# KiCad board proteus.kicad_pcb
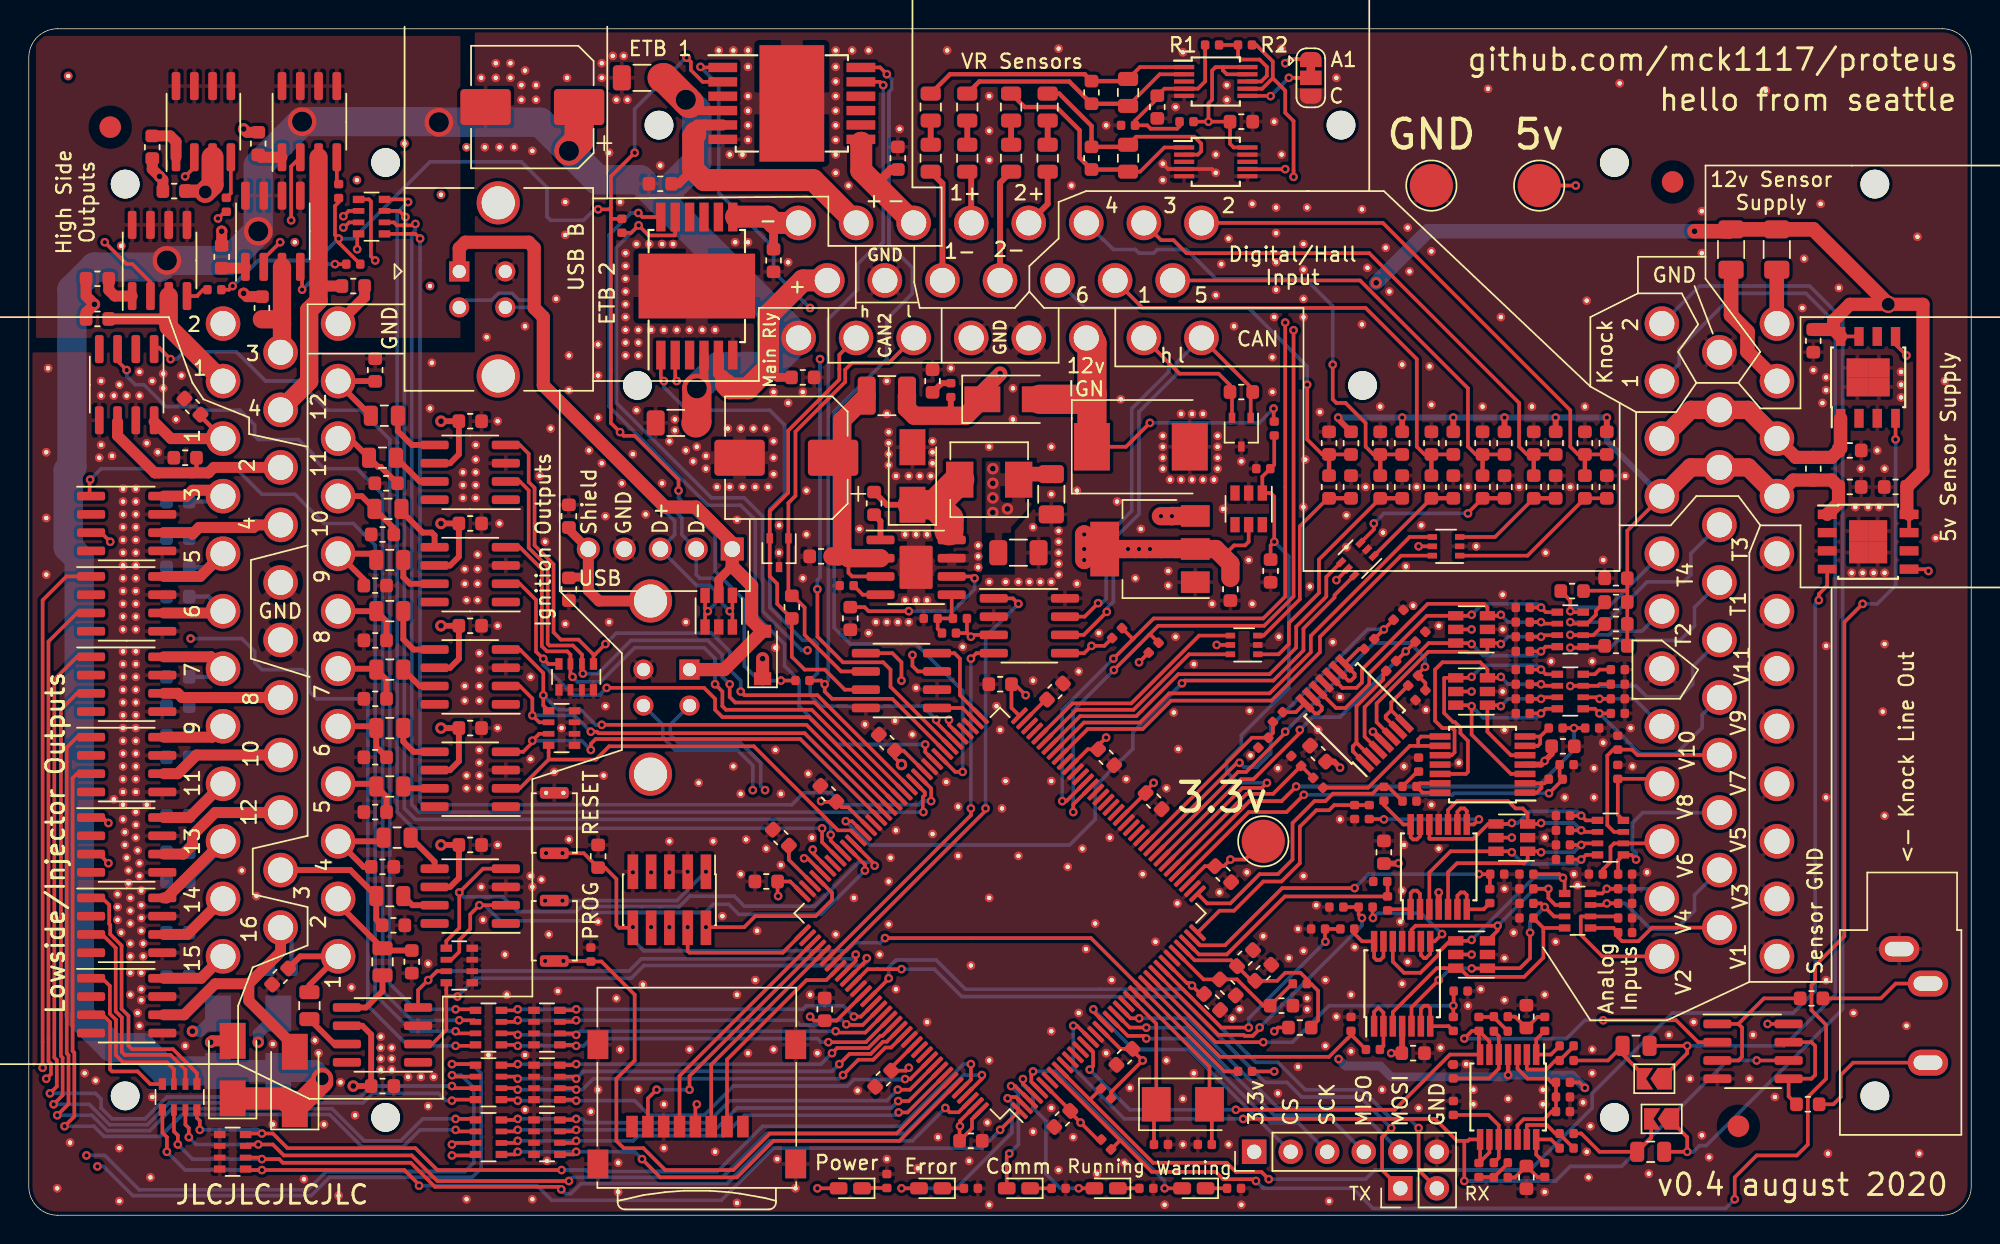
[diagram p0: board, top side]
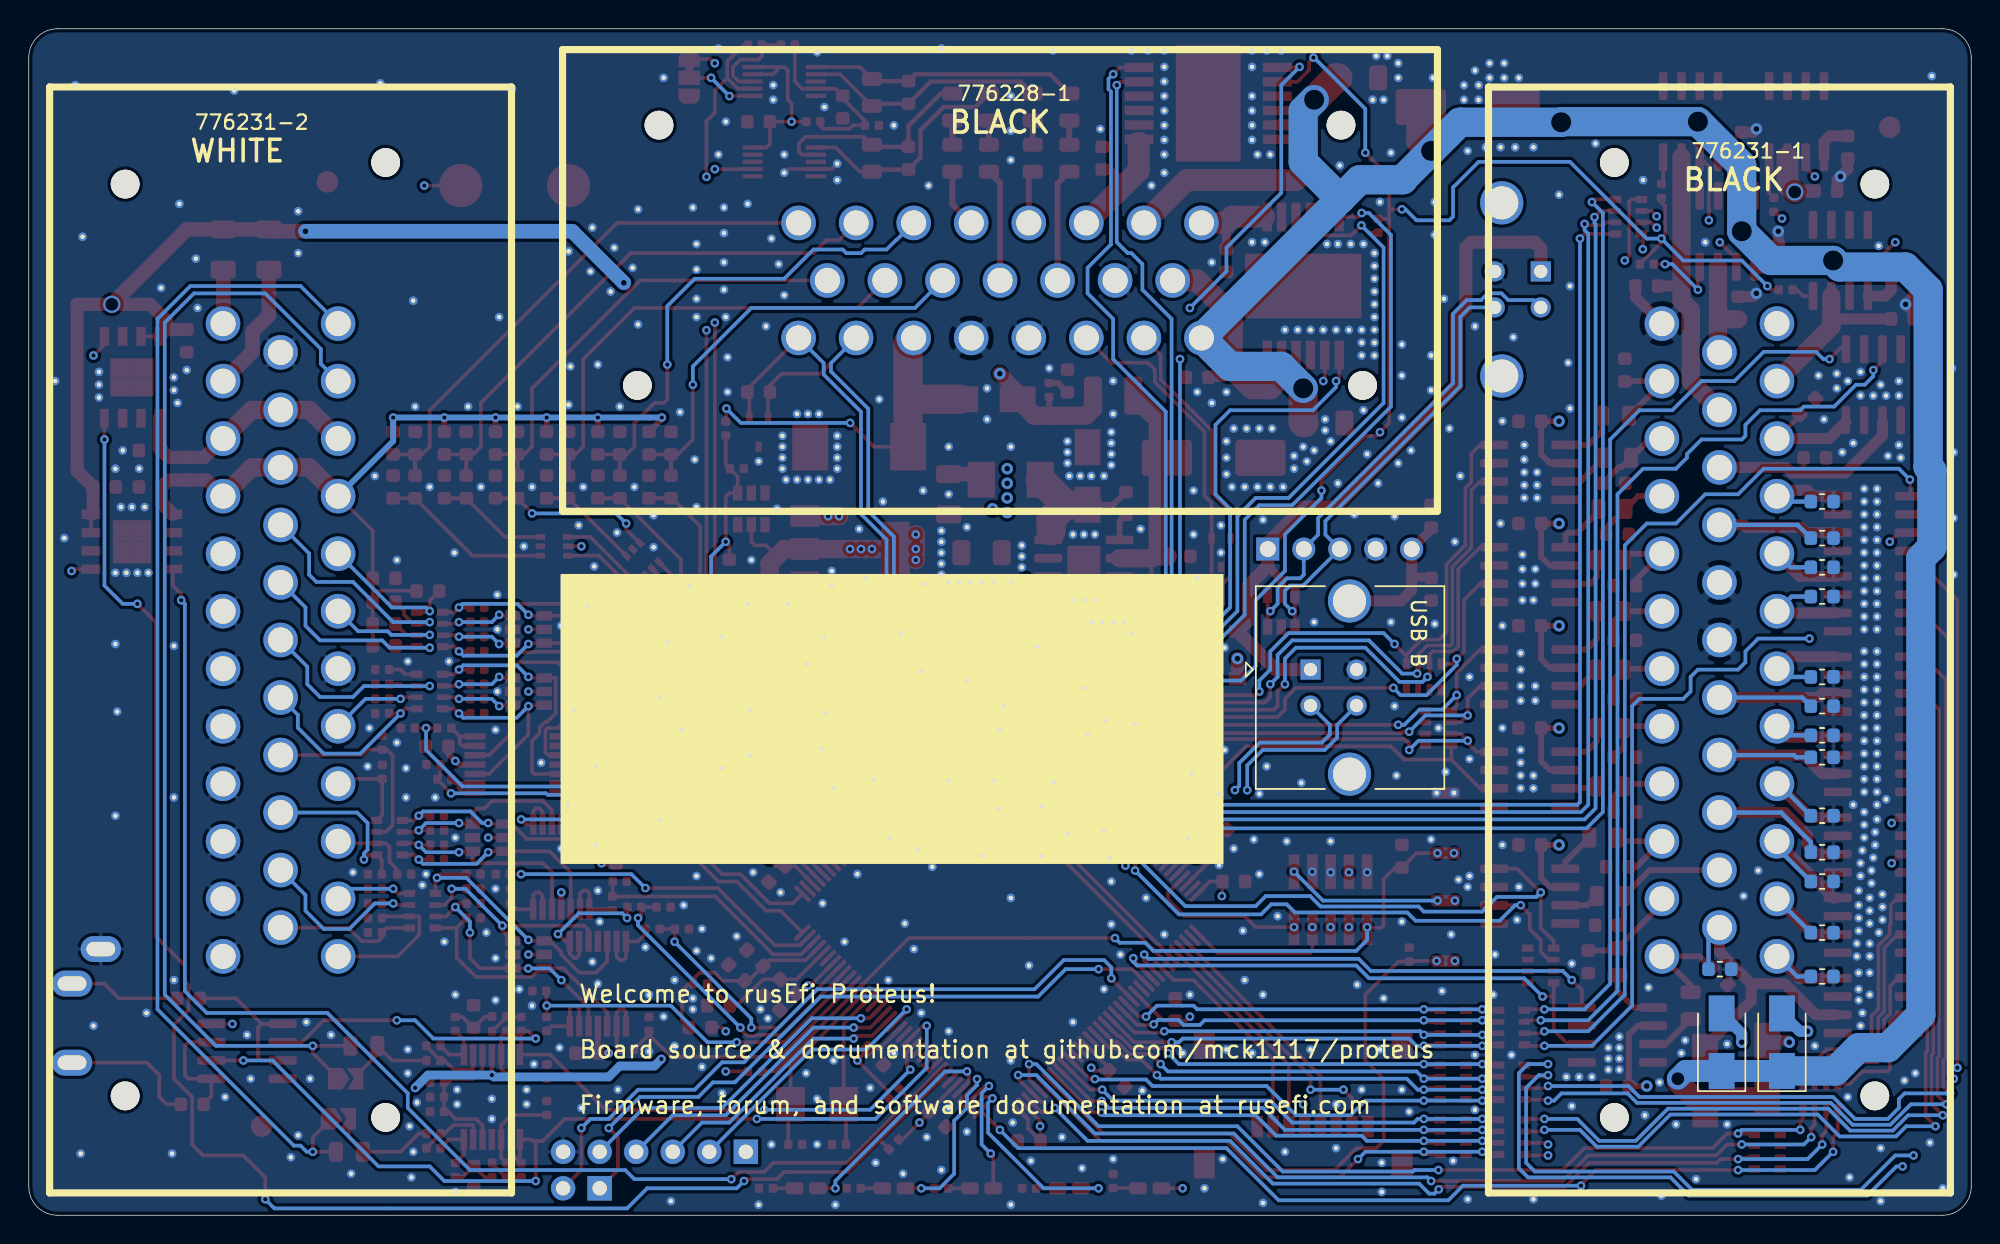
[diagram p1: board, bottom side, seen from below]

Outline 135 x 82.5 mm; copper layers: Top, In1.Cu (plane), In2.Cu (plane), Bottom. Coordinates in mm from the lower left corner of the outline.
Outline path: 0,80.5 0,2 arc(0.59,0.59) 2,0 133,0 arc(134.41,0.59) 135,2 135,80.5 arc(134.41,81.91) 133,82.5 2,82.5 arc(0.59,81.91) 0,80.5

## Placement (name value [footprint] x y rotation side)
C1  100n  [C_0402_1005Metric]  104.09 20.67 180 top
C2  100n  [C_0402_1005Metric]  104.09 21.68 180 top
C3  100n  [C_0402_1005Metric]  104.09 22.7 180 top
C4  100n  [C_0402_1005Metric]  104.09 23.72 180 top
C5  100n  [C_0402_1005Metric]  106.63 24.73 180 top
C6  100n  [C_0402_1005Metric]  106.63 25.75 180 top
C7  100n  [C_0402_1005Metric]  106.63 26.76 180 top
C8  100n  [C_0402_1005Metric]  106.63 27.78 180 top
C9  100n  [C_0402_1005Metric]  103.83 34.89 180 top
C10  100n  [C_0402_1005Metric]  103.83 35.91 180 top
C11  100n  [C_0402_1005Metric]  103.83 36.92 180 top
C12  100n  [C_0402_1005Metric]  103.83 37.94 180 top
C13  100n  [C_0402_1005Metric]  103.83 39.21 180 top
C14  100n  [C_0402_1005Metric]  103.83 40.23 180 top
C15  100n  [C_0402_1005Metric]  103.83 41.24 180 top
C16  100n  [C_0402_1005Metric]  103.83 42.26 180 top
C17  68u  [CP_Elec_8x10]  35 77.06 180 top
C18  10u  [C_0603_1608Metric]  123.64 7.71 180 top
C19  10u  [C_0603_1608Metric]  123.9 15.08 180 top
C21  680p  [C_0603_1608Metric]  104.09 13.81 270 top
C22  680p  [C_0603_1608Metric]  104.09 2.63 90 top
C23  330p  [C_0402_1005Metric]  100.78 13.3 270 top
C24  330p  [C_0402_1005Metric]  100.78 3.14 90 top
C25  47p  [C_0402_1005Metric]  99.01 10 270 top
C26  47p  [C_0402_1005Metric]  99.01 7.46 270 top
C27  1u  [C_0603_1608Metric]  87.07 14.57 0 top
C201  10n  [C_0603_1608Metric]  11.38 56.23 135 top
C202  10n  [C_0603_1608Metric]  10.87 52.67 180 top
C203  10n  [C_0603_1608Metric]  10.36 49.62 180 bottom
C204  10n  [C_0603_1608Metric]  10.36 47.08 180 bottom
C301  10n  [C_0603_1608Metric]  10.36 45.05 180 bottom
C302  10n  [C_0603_1608Metric]  10.36 43.02 180 bottom
C303  10n  [C_0603_1608Metric]  10.36 37.43 180 bottom
C304  10n  [C_0603_1608Metric]  10.36 35.4 180 bottom
C401  10n  [C_0603_1608Metric]  10.36 33.37 180 bottom
C402  10n  [C_0603_1608Metric]  10.36 31.84 180 bottom
C403  10n  [C_0603_1608Metric]  10.36 27.78 180 bottom
C404  10n  [C_0603_1608Metric]  10.36 25.24 180 bottom
C501  10n  [C_0603_1608Metric]  10.36 23.21 180 bottom
C502  10n  [C_0603_1608Metric]  10.36 19.65 180 bottom
C503  10n  [C_0603_1608Metric]  10.36 16.6 180 bottom
C504  10n  [C_0603_1608Metric]  17.47 17.11 180 bottom
C701  33n  [C_0603_1608Metric]  96.21 11.27 0 top
C801  33n  [C_0603_1608Metric]  94.18 25.24 90 top
C901  33n  [C_0603_1608Metric]  106.63 32.61 0 top
C902  10n  [C_0603_1608Metric]  57.1 41.5 270 top
C903  4.7u  [C_0603_1608Metric]  83.51 43.53 270 top
C904  100n  [C_0603_1608Metric]  58.75 49.5 90 top
C905  270p  [C_0402_1005Metric]  63.95 40.48 180 top
C906  10u  [C_1206_3216Metric]  71.07 50.13 270 top
C1001  68u  [CP_Elec_8x10]  52.65 52.67 180 top
C1002  1u  [C_0603_1608Metric]  55.06 45.81 180 top
C1004  10u  [C_1206_3216Metric]  68.78 46.07 0 top
C1006  4.7u  [C_0603_1608Metric]  62.81 58.01 90 top
C1015  1u  [C_0603_1608Metric]  129.74 50.64 180 top
C1016  1u  [C_0603_1608Metric]  126.56 50.64 0 top
C1017  1u  [C_0603_1608Metric]  124.03 60.8 270 top
C1018  1u  [C_0603_1608Metric]  126.56 53.18 0 top
C1101  33n  [C_0603_1608Metric]  89.61 32.1 135 top
C1201  10u  [C_1206_3216Metric]  42.62 79.09 0 top
C1202  10n  [C_0603_1608Metric]  43.89 71.72 0 top
C1203  10n  [C_0603_1608Metric]  60.4 73.5 90 top
C1204  1n  [C_0603_1608Metric]  101.04 53.69 90 top
C1205  1n  [C_0603_1608Metric]  102.56 50.64 90 top
C1207  1n  [C_0603_1608Metric]  90.37 53.69 90 top
C1208  1n  [C_0603_1608Metric]  91.89 50.64 90 top
C1209  1n  [C_0603_1608Metric]  73.86 78.07 90 top
C1210  1n  [C_0603_1608Metric]  73.86 73.5 270 top
C1211  100n  [C_0603_1608Metric]  84.27 76.04 0 top
C1212  1u  [C_0603_1608Metric]  78.43 77.06 270 top
C1301  10n  [C_0603_1608Metric]  4.77 62.32 180 top
C1302  10n  [C_0603_1608Metric]  10.11 71.21 180 top
C1303  10n  [C_0603_1608Metric]  16.2 63.09 90 top
C1304  10n  [C_0603_1608Metric]  22.55 64.61 0 top
C1401  1n  [C_0603_1608Metric]  97.48 53.69 90 top
C1402  1n  [C_0603_1608Metric]  99.01 50.64 90 top
C1403  1n  [C_0603_1608Metric]  108.15 53.69 90 top
C1404  1n  [C_0603_1608Metric]  109.67 50.64 90 top
C1405  1n  [C_0603_1608Metric]  104.59 53.69 90 top
C1406  1n  [C_0603_1608Metric]  106.12 50.64 90 top
C1407  1n  [C_0603_1608Metric]  93.93 53.69 90 top
C1408  1n  [C_0603_1608Metric]  95.45 50.64 90 top
C1409  100n  [C_0603_1608Metric]  110.31 44.29 0 top
C1501  10n  [C_0603_1608Metric]  84.53 17.87 45 top
C1502  4.7u  [C_0603_1608Metric]  85.8 16.86 45 top
C1503  10n  [C_0603_1608Metric]  67.51 36.92 0 top
C1504  10n  [C_0603_1608Metric]  74.88 31.84 135 top
C1505  10n  [C_0603_1608Metric]  82.24 14.83 135 top
C1506  4.7u  [C_0603_1608Metric]  83 23.72 135 top
C1507  4.7u  [C_0603_1608Metric]  59.64 32.86 315 top
C1508  10n  [C_0603_1608Metric]  55.57 29.3 315 top
C1509  10n  [C_0603_1608Metric]  78.18 28.8 135 top
C1510  10n  [C_0603_1608Metric]  55.32 14.32 270 top
C1511  10n  [C_0603_1608Metric]  65.48 5.17 180 top
C1512  4.7u  [C_0603_1608Metric]  59.38 9.49 45 top
C1513  10n  [C_0603_1608Metric]  51.25 23.21 0 top
C1514  10n  [C_0603_1608Metric]  71.83 6.7 45 top
C1515  4.7u  [C_0603_1608Metric]  76.15 11.02 45 top
C1516  100n  [C_0603_1608Metric]  37.54 43.53 270 top
C1517  10n  [C_0603_1608Metric]  39.57 24.96 270 top
C1518  2.2u  [C_0603_1608Metric]  71.32 36.42 45 top
C1519  2.2u  [C_0603_1608Metric]  52.27 26.26 135 top
C1520  10n  [C_0603_1608Metric]  83.32 15.84 315 top
C1521  33p  [C_0402_1005Metric]  78.69 4.92 0 top
C1522  33p  [C_0402_1005Metric]  81.73 4.92 180 top
C1523  1u  [C_0603_1608Metric]  86.31 44.8 270 top
C1601  10u  [C_1206_3216Metric]  44.97 55.09 0 top
C1602  10n  [C_0603_1608Metric]  53.79 58.26 180 top
C1603  10n  [C_0603_1608Metric]  51.76 66.39 270 top
C1604  100n  [C_0603_1608Metric]  24.58 8.98 180 top
C1605  10n  [C_0603_1608Metric]  17.47 16.6 225 top
C1606  10n  [C_0603_1608Metric]  26.62 17.62 270 top
C1607  100n  [C_0603_1608Metric]  30.68 25.75 180 top
C1608  10n  [C_0603_1608Metric]  25.35 20.16 0 top
C1609  10n  [C_0603_1608Metric]  24.58 24.22 0 top
C1701  100n  [C_0603_1608Metric]  30.68 33.88 180 top
C1702  10n  [C_0603_1608Metric]  24.08 28.03 180 top
C1703  10n  [C_0603_1608Metric]  24.08 31.84 180 top
C1704  100n  [C_0603_1608Metric]  30.68 40.99 180 top
C1705  10n  [C_0603_1608Metric]  24.08 35.91 180 top
C1706  10n  [C_0603_1608Metric]  24.08 39.97 180 top
C1801  100n  [C_0603_1608Metric]  30.68 48.1 180 top
C1802  10n  [C_0603_1608Metric]  24.08 43.78 0 top
C1803  10n  [C_0603_1608Metric]  24.58 47.34 180 top
C1804  100n  [C_0603_1608Metric]  30.68 55.21 180 top
C1805  10n  [C_0603_1608Metric]  24.84 50.89 180 top
C1806  10n  [C_0603_1608Metric]  24.08 58.77 90 top
C1901  3.3n  [C_0805_2012Metric]  111.71 11.78 0 top
C1902  3.3n  [C_0805_2012Metric]  112.72 4.41 0 top
C1903  10n  [C_0402_1005Metric]  106.63 7.21 180 top
D1  PESD1CAN-UX  [SOT-323_SC-70]  84.27 54.45 270 top
D2  PESD1CAN-UX  [SOT-323_SC-70]  52.14 46.07 270 top
D101  D_Schottky  [D_SMA]  17.34 12.03 90 bottom
D102  D_Schottky  [D_SMA]  18.49 9.37 90 top
D103  D_Schottky  [D_SMA]  13.15 12.03 90 bottom
D104  D_Schottky  [D_SMA]  14.17 10.13 90 top
D901  D_Schottky  [D_SMA]  61.41 51.4 90 top
D903  D_Schottky  [D_SMA]  68.27 56.74 0 top
D1001  SM15T33CA  [D_SMC]  77.29 53.43 0 top
D1501  SRV05-4  [SOT-23-6]  84.78 49.12 270 top
D1502  GREEN  [LED_0603_1608Metric_Castellated]  57.1 1.87 180 top
D1503  schottky  [D_SOD-123]  51 38.96 90 top
D1504  RED  [LED_0603_1608Metric_Castellated]  62.68 1.87 180 top
D1505  BLUE  [LED_0603_1608Metric_Castellated]  68.78 1.87 180 top
D1506  GREEN  [LED_0603_1608Metric_Castellated]  74.88 1.87 180 top
D1507  ORANGE  [LED_0603_1608Metric_Castellated]  80.97 1.87 180 top
F101  Polyfuse  [R_1206_3216Metric]  118.31 67.15 90 top
F102  Polyfuse  [R_1206_3216Metric]  121.49 67.15 270 top
FB1501  Ferrite_Bead  [L_0603_1608Metric]  88.34 13.05 0 top
J1  Micro_SD_Card  [microSD_HC_Wuerth_693072010801]  46.43 7.71 180 top
J2  Conn_01x02  [PinHeader_1x02_P2.54mm_Vertical]  95.32 1.87 90 top
J3  AudioJack3  [Jack_3.5mm_CUI_SJ1-3533NG_Horizontal]  129.99 18.51 0 top
J101  Conn_01x23  [ampseal-23]  67.5 65 180 bottom
J102  Conn_01x35  [ampseal-35]  17.5 40 270 bottom
J103  Conn_01x35  [ampseal-35-2]  117.5 40 90 bottom
J105  Conn_01x01  [TestPoint_Pad_D3.0mm]  97.48 71.59 0 top
J107  Conn_01x01  [TestPoint_Pad_D3.0mm]  104.97 71.59 0 top
J108  Conn_01x01  [TestPoint_Pad_D3.0mm]  85.8 26 0 top
J1501  USB_B  [USB_B_TE_5787834_Vertical]  45.92 37.94 90 bottom
J1502  Conn_02x05_Odd_Even  [PinHeader_2x05_P1.27mm_Vertical_SMD]  44.52 21.94 270 top
J1503  USB_B  [USB_B_TE_5787834_Vertical]  29.92 65.63 90 top
J1504  USB_B  [conn_5_2.5mm]  43.89 46.32 180 top
J1505  Conn_01x06  [PinHeader_1x06_P2.54mm_Vertical]  85.16 4.41 90 top
JP1  Jumper_NO_Small  [SolderJumper-2_P1.3mm_Open_TrianglePad1.0x1.5mm]  112.98 9.49 180 top
JP2  Jumper_NO_Small  [SolderJumper-2_P1.3mm_Open_TrianglePad1.0x1.5mm]  113.48 6.7 180 top
JP1201  Jumper_3_Bridged12  [SolderJumper-3_P1.3mm_Bridged12_RoundedPad1.0x1.5mm]  89.1 79.09 270 top
L1001  10u  [MWSA0503]  66.75 51.15 180 top
L1002  2.2u  [L_1210_3225Metric]  59.64 56.99 180 top
NOREF  -  [unnamed]  102.56 22.7 0 top
NOREF#2  -  [unnamed]  84.91 31.97 0 top
NOREF#3  -  [unnamed]  107.39 23.72 0 top
NOREF#4  -  [unnamed]  107.64 22.95 0 top
NOREF#5  -  [unnamed]  109.42 32.86 0 top
NOREF#6  -  [unnamed]  106.75 29.05 0 top
NOREF#7  -  [unnamed]  108.78 29.05 0 top
NOREF#8  -  [unnamed]  108.78 31.08 0 top
NOREF#9  -  [unnamed]  112.47 23.84 0 top
NOREF#10  -  [unnamed]  111.45 31.21 0 top
NOREF#11  -  [unnamed]  111.33 33.88 0 top
NOREF#12  -  [unnamed]  109.42 45.56 0 top
NOREF#13  -  [unnamed]  110.94 51.4 0 top
NOREF#14  -  [unnamed]  108.15 56.23 0 top
NOREF#15  -  [unnamed]  104.47 56.23 0 top
NOREF#16  -  [unnamed]  101.04 56.23 0 top
NOREF#17  -  [unnamed]  97.48 56.35 0 top
NOREF#18  -  [unnamed]  89.73 55.85 0 top
NOREF#19  -  [unnamed]  92.91 50.64 0 top
NOREF#20  -  [unnamed]  96.47 50.64 0 top
NOREF#21  -  [unnamed]  100.02 50.64 0 top
NOREF#22  -  [unnamed]  103.58 50.64 0 top
NOREF#23  -  [unnamed]  107.13 50.64 0 top
NOREF#24  -  [unnamed]  93.93 56.23 0 top
NOREF#25  -  [unnamed]  97.36 59.02 0 top
NOREF#26  -  [unnamed]  94.56 64.23 0 top
NOREF#27  -  [unnamed]  95.96 65.63 0 top
NOREF#28  -  [unnamed]  94.31 67.28 0 top
NOREF#29  -  [unnamed]  93.04 65.88 0 top
NOREF#30  -  [unnamed]  83.39 67.91 0 top
NOREF#31  -  [unnamed]  82.88 66.13 0 top
NOREF#32  -  [unnamed]  82.5 63.98 0 top
NOREF#33  -  [unnamed]  83.77 61.82 0 top
NOREF#34  -  [unnamed]  95.83 68.67 0 top
NOREF#35  -  [unnamed]  97.48 67.02 0 top
NOREF#36  -  [unnamed]  102.31 62.45 0 top
NOREF#37  -  [unnamed]  95.45 59.15 0 top
NOREF#38  -  [unnamed]  92.66 61.94 0 top
NOREF#39  -  [unnamed]  88.72 52.55 0 top
NOREF#40  -  [unnamed]  85.04 42.51 0 top
NOREF#41  -  [unnamed]  72.97 37.81 0 top
NOREF#42  -  [unnamed]  79.19 44.8 0 top
NOREF#43  -  [unnamed]  86.88 40.23 0 top
NOREF#44  -  [unnamed]  91.13 36.03 0 top
NOREF#45  -  [unnamed]  89.61 33.75 0 top
NOREF#46  -  [unnamed]  86.81 31.08 0 top
NOREF#47  -  [unnamed]  95.58 31.21 0 top
NOREF#48  -  [unnamed]  99.39 31.46 0 top
NOREF#49  -  [unnamed]  97.48 28.54 0 top
NOREF#50  -  [unnamed]  95.58 25.75 0 top
NOREF#51  -  [unnamed]  97.99 25.49 0 top
NOREF#52  -  [unnamed]  95.45 22.57 0 top
NOREF#53  -  [unnamed]  89.48 21.56 0 top
NOREF#54  -  [unnamed]  95.32 20.41 0 top
NOREF#55  -  [unnamed]  97.1 35.15 0 top
NOREF#56  -  [unnamed]  97.99 40.99 0 top
NOREF#57  -  [unnamed]  96.21 42.38 0 top
NOREF#58  -  [unnamed]  102.56 33.75 0 top
NOREF#59  -  [unnamed]  105.23 8.73 0 top
NOREF#60  -  [unnamed]  105.23 7.71 0 top
NOREF#61  -  [unnamed]  102.82 6.7 0 top
NOREF#62  -  [unnamed]  100.4 7.71 0 top
NOREF#63  -  [unnamed]  100.4 8.73 0 top
NOREF#64  -  [unnamed]  105.36 15.33 0 top
NOREF#65  -  [unnamed]  105.36 1.62 0 top
NOREF#66  -  [unnamed]  108.4 2.63 0 top
NOREF#67  -  [unnamed]  98.12 11.65 0 top
NOREF#68  -  [unnamed]  100.91 15.71 0 top
NOREF#69  -  [unnamed]  95.83 17.62 0 top
NOREF#70  -  [unnamed]  102.56 17.87 0 top
NOREF#71  -  [unnamed]  103.2 19.65 0 top
NOREF#72  -  [unnamed]  106.12 19.02 0 top
NOREF#73  -  [unnamed]  91.13 27.53 0 top
NOREF#74  -  [unnamed]  88.59 23.59 0 top
NOREF#75  -  [unnamed]  82.75 22.45 0 top
NOREF#76  -  [unnamed]  84.66 23.84 0 top
NOREF#77  -  [unnamed]  85.8 19.4 0 top
NOREF#78  -  [unnamed]  83.64 13.68 0 top
NOREF#79  -  [unnamed]  84.15 14.32 0 top
NOREF#80  -  [unnamed]  88.59 18.38 0 top
NOREF#81  -  [unnamed]  90.12 11.78 0 top
NOREF#82  -  [unnamed]  91.89 11.4 0 top
NOREF#83  -  [unnamed]  76.53 8.86 0 top
NOREF#84  -  [unnamed]  80.21 4.92 0 top
NOREF#85  -  [unnamed]  65.35 3.78 0 top
NOREF#86  -  [unnamed]  74.24 2.89 0 top
NOREF#87  -  [unnamed]  57.6 8.67 0 top
NOREF#88  -  [unnamed]  33.22 15.33 0 top
NOREF#89  -  [unnamed]  24.46 10.89 0 top
NOREF#90  -  [unnamed]  25.22 10.89 0 top
NOREF#91  -  [unnamed]  25.22 11.65 0 top
NOREF#92  -  [unnamed]  24.46 11.65 0 top
NOREF#93  -  [unnamed]  22.42 15.84 0 top
NOREF#94  -  [unnamed]  27.76 17.49 0 top
NOREF#95  -  [unnamed]  31.57 20.54 0 top
NOREF#96  -  [unnamed]  31.44 22.83 0 top
NOREF#97  -  [unnamed]  35 22.83 0 top
NOREF#98  -  [unnamed]  34.87 23.59 0 top
NOREF#99  -  [unnamed]  35.63 23.34 0 top
NOREF#100  -  [unnamed]  32.59 25.75 0 top
NOREF#101  -  [unnamed]  31.31 31.46 0 top
NOREF#102  -  [unnamed]  31.31 30.57 0 top
NOREF#103  -  [unnamed]  31.31 29.68 0 top
NOREF#104  -  [unnamed]  30.43 30.57 0 top
NOREF#105  -  [unnamed]  30.43 29.68 0 top
NOREF#106  -  [unnamed]  31.31 32.35 0 top
NOREF#107  -  [unnamed]  32.59 33.88 0 top
NOREF#108  -  [unnamed]  34.87 31.72 0 top
NOREF#109  -  [unnamed]  37.03 33.88 0 top
NOREF#110  -  [unnamed]  40.08 35.4 0 top
NOREF#111  -  [unnamed]  54.17 30.7 0 top
NOREF#112  -  [unnamed]  51.89 32.35 0 top
NOREF#113  -  [unnamed]  52.27 29.3 0 top
NOREF#114  -  [unnamed]  49.86 26.13 0 top
NOREF#115  -  [unnamed]  54.43 26.26 0 top
NOREF#116  -  [unnamed]  50.62 19.78 0 top
NOREF#117  -  [unnamed]  39.57 20.41 0 top
NOREF#118  -  [unnamed]  33.09 18.13 0 top
NOREF#119  -  [unnamed]  37.54 26.13 0 top
NOREF#120  -  [unnamed]  36.52 30.83 0 top
NOREF#121  -  [unnamed]  39.95 30.57 0 top
NOREF#122  -  [unnamed]  37.28 41.11 0 top
NOREF#123  -  [unnamed]  31.31 36.8 0 top
NOREF#124  -  [unnamed]  30.3 36.8 0 top
NOREF#125  -  [unnamed]  30.3 35.78 0 top
NOREF#126  -  [unnamed]  31.31 35.78 0 top
NOREF#127  -  [unnamed]  31.31 37.94 0 top
NOREF#128  -  [unnamed]  31.31 39.08 0 top
NOREF#129  -  [unnamed]  34.87 37.43 0 top
NOREF#130  -  [unnamed]  32.59 40.99 0 top
NOREF#131  -  [unnamed]  30.43 42.77 0 top
NOREF#132  -  [unnamed]  31.19 42.77 0 top
NOREF#133  -  [unnamed]  31.19 43.91 0 top
NOREF#134  -  [unnamed]  30.3 43.91 0 top
NOREF#135  -  [unnamed]  30.3 44.92 0 top
NOREF#136  -  [unnamed]  31.19 44.92 0 top
NOREF#137  -  [unnamed]  31.19 45.94 0 top
NOREF#138  -  [unnamed]  32.71 48.1 0 top
NOREF#139  -  [unnamed]  30.17 49.88 0 top
NOREF#140  -  [unnamed]  31.06 49.88 0 top
NOREF#141  -  [unnamed]  31.06 50.77 0 top
NOREF#142  -  [unnamed]  30.17 50.77 0 top
NOREF#143  -  [unnamed]  31.06 51.66 0 top
NOREF#144  -  [unnamed]  30.17 51.66 0 top
NOREF#145  -  [unnamed]  31.06 52.55 0 top
NOREF#146  -  [unnamed]  31.06 53.56 0 top
NOREF#147  -  [unnamed]  32.59 55.21 0 top
NOREF#148  -  [unnamed]  27.89 56.1 0 top
NOREF#149  -  [unnamed]  35.89 46.83 0 top
NOREF#150  -  [unnamed]  35.51 51.4 0 top
NOREF#151  -  [unnamed]  27.76 7.59 0 top
NOREF#152  -  [unnamed]  22.68 6.95 0 top
NOREF#153  -  [unnamed]  8.58 8.22 0 top
NOREF#154  -  [unnamed]  16.96 6.32 0 top
NOREF#155  -  [unnamed]  20.52 6.32 0 top
NOREF#156  -  [unnamed]  19.12 2.51 0 top
NOREF#157  -  [unnamed]  8.45 2.63 0 top
NOREF#158  -  [unnamed]  6.3 4.67 0 top
NOREF#159  -  [unnamed]  2.87 5.05 0 top
NOREF#160  -  [unnamed]  6.3 0.98 0 top
NOREF#161  -  [unnamed]  21.54 1.36 0 top
NOREF#162  -  [unnamed]  30.43 1.11 0 top
NOREF#163  -  [unnamed]  40.97 1.62 0 top
NOREF#164  -  [unnamed]  20.14 11.27 0 top
NOREF#165  -  [unnamed]  7.57 14.06 0 top
NOREF#166  -  [unnamed]  7.82 14.95 0 top
NOREF#167  -  [unnamed]  7.06 15.33 0 top
NOREF#168  -  [unnamed]  7.82 15.71 0 top
NOREF#169  -  [unnamed]  7.06 18 0 top
NOREF#170  -  [unnamed]  7.95 18 0 top
NOREF#171  -  [unnamed]  7.95 18.89 0 top
NOREF#172  -  [unnamed]  7.06 18.89 0 top
NOREF#173  -  [unnamed]  6.42 19.65 0 top
NOREF#174  -  [unnamed]  7.82 19.78 0 top
NOREF#175  -  [unnamed]  7.06 20.29 0 top
NOREF#176  -  [unnamed]  7.82 20.67 0 top
NOREF#177  -  [unnamed]  7.06 21.18 0 top
NOREF#178  -  [unnamed]  6.17 20.54 0 top
NOREF#179  -  [unnamed]  6.17 21.43 0 top
NOREF#180  -  [unnamed]  7.82 21.56 0 top
NOREF#181  -  [unnamed]  7.06 22.06 0 top
NOREF#182  -  [unnamed]  6.17 22.32 0 top
NOREF#183  -  [unnamed]  7.82 22.57 0 top
NOREF#184  -  [unnamed]  88.21 19.91 0 top
NOREF#185  -  [unnamed]  52.27 24.35 0 top
NOREF#186  -  [unnamed]  116.28 66.9 0 top
NOREF#187  -  [unnamed]  116.28 69.82 0 top
NOREF#188  -  [unnamed]  125.8 64.48 0 top
NOREF#189  -  [unnamed]  123.39 66.52 0 top
NOREF#190  -  [unnamed]  123.26 63.09 0 top
NOREF#191  -  [unnamed]  124.03 58.77 0 top
NOREF#192  -  [unnamed]  128.47 53.18 0 top
NOREF#193  -  [unnamed]  127.33 51.91 0 top
NOREF#194  -  [unnamed]  128.98 51.91 0 top
NOREF#195  -  [unnamed]  130.12 56.86 0 top
NOREF#196  -  [unnamed]  130.12 57.75 0 top
NOREF#197  -  [unnamed]  130.12 58.64 0 top
NOREF#198  -  [unnamed]  124.91 58.26 0 top
NOREF#199  -  [unnamed]  124.91 57.37 0 top
NOREF#200  -  [unnamed]  124.66 56.48 0 top
NOREF#201  -  [unnamed]  126.95 49.24 0 top
NOREF#202  -  [unnamed]  127.84 49.24 0 top
NOREF#203  -  [unnamed]  128.6 49.24 0 top
NOREF#204  -  [unnamed]  126.69 44.67 0 top
NOREF#205  -  [unnamed]  127.45 44.67 0 top
NOREF#206  -  [unnamed]  128.22 44.67 0 top
NOREF#207  -  [unnamed]  128.98 44.67 0 top
NOREF#208  -  [unnamed]  124.91 16.35 0 top
NOREF#209  -  [unnamed]  126.82 14.06 0 top
NOREF#210  -  [unnamed]  116.79 4.03 0 top
NOREF#211  -  [unnamed]  116.28 5.55 0 top
NOREF#212  -  [unnamed]  113.99 12.54 0 top
NOREF#213  -  [unnamed]  100.02 14.57 0 top
NOREF#214  -  [unnamed]  102.56 14.95 0 top
NOREF#215  -  [unnamed]  102.82 8.1 0 top
NOREF#216  -  [unnamed]  128.98 39.72 0 top
NOREF#217  -  [unnamed]  128.85 35.02 0 top
NOREF#218  -  [unnamed]  128.98 27.78 0 top
NOREF#219  -  [unnamed]  124.91 29.05 0 top
NOREF#220  -  [unnamed]  124.91 39.59 0 top
NOREF#221  -  [unnamed]  131.39 4.29 0 top
NOREF#222  -  [unnamed]  125.04 4.29 0 top
NOREF#223  -  [unnamed]  130.5 13.18 0 top
NOREF#224  -  [unnamed]  131.77 78.58 0 top
NOREF#225  -  [unnamed]  120.72 78.2 0 top
NOREF#226  -  [unnamed]  101.42 78.33 0 top
NOREF#227  -  [unnamed]  110.56 78.71 0 top
NOREF#228  -  [unnamed]  131.26 68.04 0 top
NOREF#229  -  [unnamed]  90.88 79.09 0 top
NOREF#230  -  [unnamed]  108.28 63.59 0 top
NOREF#231  -  [unnamed]  1.98 1.87 0 top
NOREF#232  -  [unnamed]  7.82 16.86 0 top
NOREF#233  -  [unnamed]  7.06 16.86 0 top
NOREF#234  -  [unnamed]  6.93 23.08 0 top
NOREF#235  -  [unnamed]  7.69 23.59 0 top
NOREF#236  -  [unnamed]  6.93 23.97 0 top
NOREF#237  -  [unnamed]  7.69 24.48 0 top
NOREF#238  -  [unnamed]  6.8 24.86 0 top
NOREF#239  -  [unnamed]  7.57 25.37 0 top
NOREF#240  -  [unnamed]  6.68 25.75 0 top
NOREF#241  -  [unnamed]  7.44 26.26 0 top
NOREF#242  -  [unnamed]  6.68 26.64 0 top
NOREF#243  -  [unnamed]  7.44 27.14 0 top
NOREF#244  -  [unnamed]  6.55 27.53 0 top
NOREF#245  -  [unnamed]  7.44 28.03 0 top
NOREF#246  -  [unnamed]  7.44 29.43 0 top
NOREF#247  -  [unnamed]  6.55 29.43 0 top